# Altium PCB Allwinner_A13_BRD.PcbDoc (part 1 of 5) (continued)
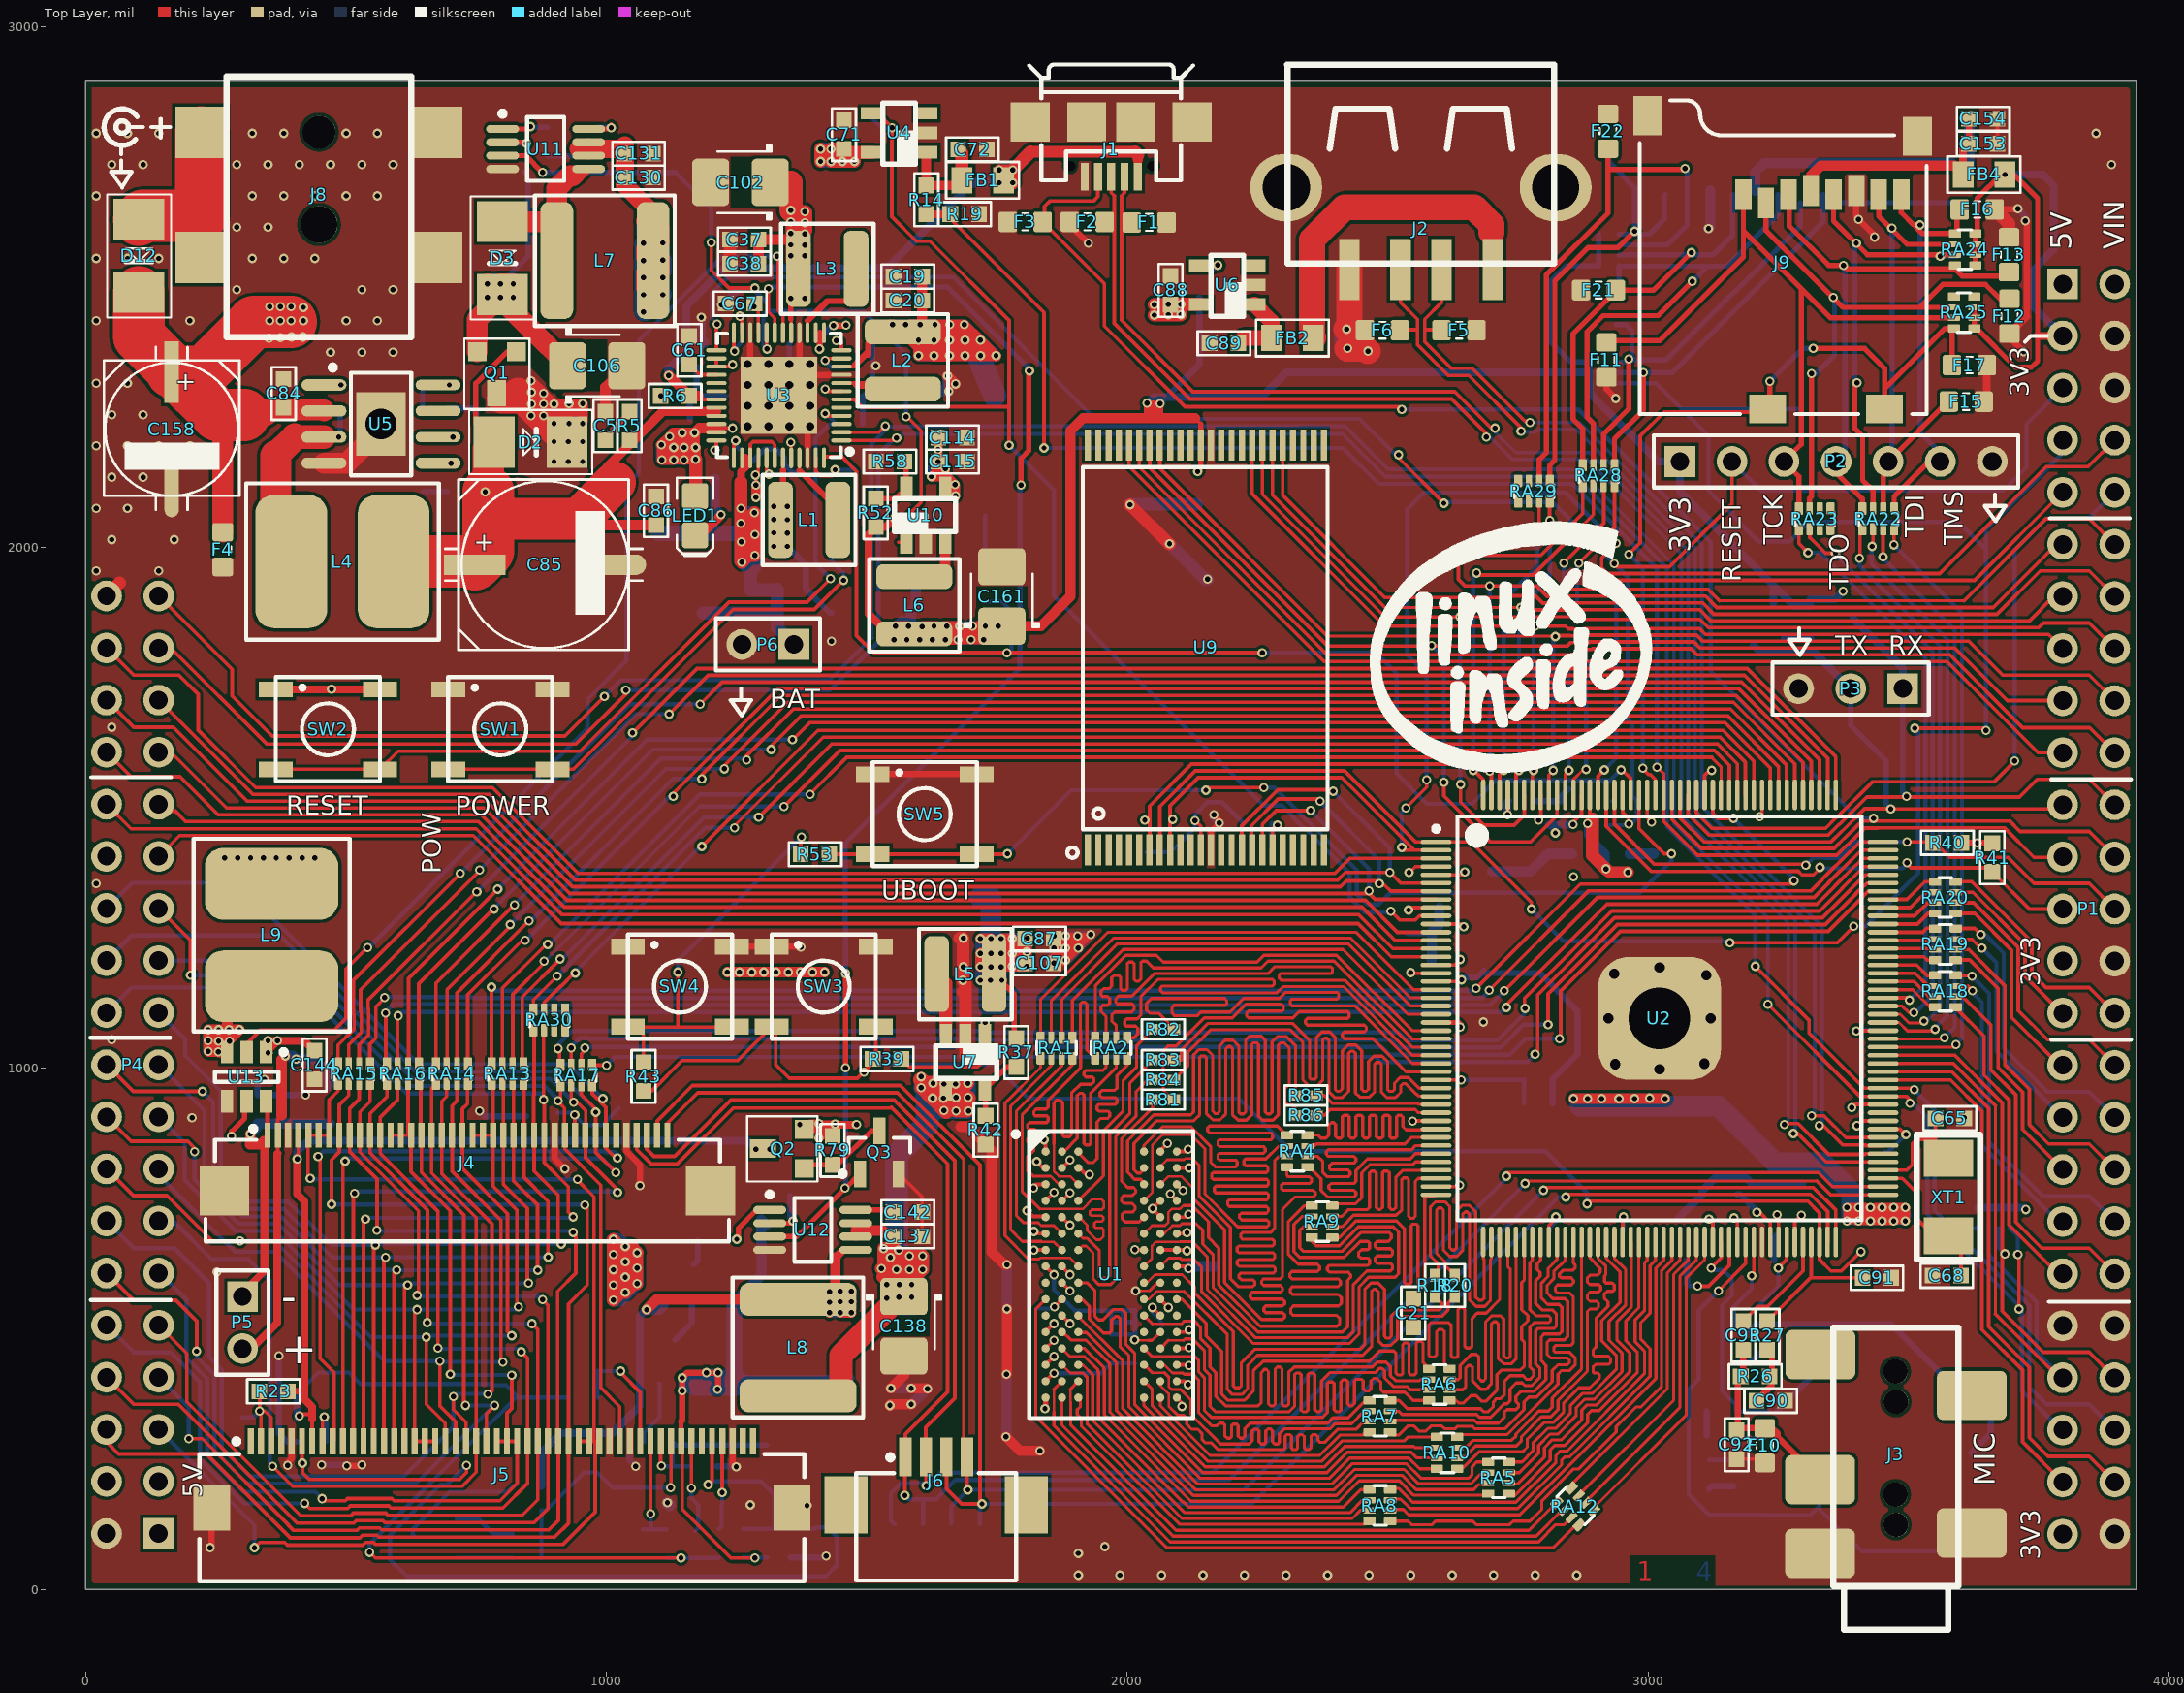
[diagram p0: Top Layer view]
## Components (designator, comment, footprint, x,y, rotation, side; value= is the part's Value field where it differs from the comment)
C1 "22uF" 0603C-GENERIC 1903,714 r90 bottom
C2 "100nF" 0603C-GENERIC 2015,489 r270 bottom
C3 "100nF" 0603C-GENERIC 2015,590 r270 bottom
C4 "10uF" 0603C-GENERIC 1227,2290 r270 bottom
C5 "10uF" 0603C-GENERIC 998,2261 r270 top
C6 "1uF" 0603C-GENERIC 1383,1920 r180 bottom
C7 "100nF" 0603C-GENERIC 2122,388 r180 bottom
C8 "100nF" 0603C-GENERIC 2122,460 r180 bottom
C9 "10uF" 0603C-GENERIC 1432,1875 r270 bottom
C10 "10uF" 0603C-GENERIC 1277,1919 r180 bottom
C11 "10uF" 0603C-GENERIC 1160,2293 r180 bottom
C12 "10uF" 0603C-GENERIC 1369,2189 r180 bottom
C13 "100nF" 0603C-GENERIC 2078,552 r0 bottom
C14 "100nF" 0603C-GENERIC 2122,620 r180 bottom
C15 "100nF" 0603C-GENERIC 2122,726 r270 bottom
C16 "100nF" 0603C-GENERIC 2076,753 r270 bottom
C17 "100nF" 0603C-GENERIC 2113,772 r90 bottom
C18 "100nF" 0603C-GENERIC 2067,855 r270 bottom
C19 "10uF" 0603C-GENERIC 1606,2520 r180 top
C20 "1nF" 0603C-GENERIC 1606,2474 r180 top
C21 "100nF" 0603C-GENERIC 2549,503 r90 top
C22 "100nF" 0603C-GENERIC 2022,666 r90 bottom
C23 "10uF" 0603C-GENERIC 1431,2290 r0 bottom
C24 "100nF" 0603C-GENERIC 2646,1378 r0 bottom
C25 "100nF" 0603C-GENERIC 3397.13,930.65 r0 bottom
C26 "22uF" 0603C-GENERIC 2599,1378 r180 bottom
C27 "10uF" 0603C-GENERIC 2585,1262 r0 bottom
C28 "10uF" 0603C-GENERIC 3011,1412 r90 bottom
C29 "10uF" 0603C-GENERIC 2808,1412 r90 bottom
C30 "22uF" 0603C-GENERIC 2606,901 r180 bottom
C31 "10uF" 0603C-GENERIC 3452,885 r180 bottom
C32 "10uF" 0603C-GENERIC 3194,1585 r180 bottom
C33 "100nF" 0603C-GENERIC 2807.82,983.03 r180 bottom
C34 "100nF" 0603C-GENERIC 1862,410 r270 bottom
C35 "100nF" 0603C-GENERIC 1870,478 r180 bottom
C36 "100nF" 0603C-GENERIC 1825,540 r90 bottom
C37 "10uF" 0603C-GENERIC 1292,2591 r180 top
C38 "1nF" 0603C-GENERIC 1292,2545 r180 top
C39 "22uF" 0603C-GENERIC 2680,1080 r180 bottom
C40 "100nF" 0603C-GENERIC 2646,978 r180 bottom
C41 "10uF" 0603C-GENERIC 2574.2,775.2 r0 bottom
C42 "100nF" 0603C-GENERIC 2811.4,686.87 r270 bottom
C43 "10uF" 0603C-GENERIC 2953.03,633.18 r90 bottom
C44 "100nF" 0603C-GENERIC 2168,620 r0 bottom
C45 "10uF" 0603C-GENERIC 1408,2393 r180 bottom
C46 "100nF" 0603C-GENERIC 1892,611 r90 bottom
C47 "100nF" 0603C-GENERIC 3207,1484 r90 bottom
C48 "22uF" 0603C-GENERIC 2833,1513 r0 bottom
C49 "100nF" 0603C-GENERIC 2544,1308 r0 bottom
C50 "100nF" 0603C-GENERIC 2639,1209 r180 bottom
C51 "100nF" 0603C-GENERIC 2854,1467 r270 bottom
C52 "100nF" 0603C-GENERIC 2732,1513 r0 bottom
C53 "100nF" 0603C-GENERIC 3427,1074 r0 bottom
C54 "100nF" 0603C-GENERIC 3113,712 r180 bottom
C55 "100nF" 0603C-GENERIC 2731,1242 r270 bottom
C56 "1uF" 0603C-GENERIC 1173,2347 r0 bottom
C57 "100nF" 0603C-GENERIC 1825,681 r90 bottom
C58 "22uF" 0603C-GENERIC 3251,779 r270 bottom
C59 "100nF" 0603C-GENERIC 1806,776 r0 bottom
C60 "100nF" 0603C-GENERIC 1840,873 r270 bottom
C61 "10uF" 0603C-GENERIC 1159,2351 r90 top
C62 "100nF" 0603C-GENERIC 1891,822 r90 bottom
C63 "10uF" 0603C-GENERIC 1453,2393 r0 bottom
C64 "1uF" 0603C-GENERIC 1187,2393 r0 bottom
C65 "33pF" 0603C-GENERIC 3607,904 r180 top
C66 "10uF" 0603C-GENERIC 1316,2143 r0 bottom
C67 "1uF" 0603C-GENERIC 1229,2468 r0 top
C68 "33pF" 0603C-GENERIC 3546,602 r0 top
C69 "10uf" CAPMP3528X210N 1660,1329 r180 bottom
C70 "1uF" 0603C-GENERIC 2933,1513 r0 bottom
C71 "10uF" 0603C-GENERIC 1456,2820 r270 top
C72 "100nF" 0603C-GENERIC 1730,2764 r180 top
C73 "10uF" 0603C-GENERIC 1456,2347 r0 bottom
C74 "100nF" 0603C-GENERIC 2965,1412 r90 bottom
C75 "1uF" 0603C-GENERIC 1478,2095 r90 bottom
C76 "10uF" 0603C-GENERIC 3205,779 r270 bottom
C77 "100nF" 0603C-GENERIC 3159,758 r180 bottom
C78 "1uF" 0603C-GENERIC 3297,779 r270 bottom
C79 "10uF" 0603C-GENERIC 3297,632 r180 bottom
C80 "100nF" 0603C-GENERIC 3204,536 r0 bottom
C81 "100nF" 0603C-GENERIC 2685,1242 r270 bottom
C82 "10uF" 0603C-GENERIC 488,2263 r90 bottom
C83 "100nF" 0603C-GENERIC 3452,839 r180 bottom
C84 "1uF" 0603C-GENERIC 380,2323 r270 top
C85 "47uF 25V" PANACAP-E-GENERIC 882,1967 r0 top
C86 "10uF" 0603C-GENERIC 1095,2098 r270 top
C87 "10uF" 0603C-GENERIC 1859,1249 r180 top
C88 "10uF" 0603C-GENERIC 2083,2521 r270 top
C89 "100nF" 0603C-GENERIC 2158,2392 r0 top
C90 "100nF" 0603C-GENERIC 3208,362 r0 top
C91 "100nF" 0603C-GENERIC 3412,598 r0 top
C92 "100nF" 0603C-GENERIC 3170,250 r90 top
C93 "100nF" 0603C-GENERIC 3183,460 r90 top
C94 "120pf" 0603C-GENERIC 694,2267 r270 bottom
C95 "100nF" 0603C-GENERIC 3159,712 r270 bottom
C96 "10nf" 0603C-GENERIC 650,2369 r270 bottom
C97 "10uF" 0603C-GENERIC 3020,586 r0 bottom
C98 "100nF" 0603C-GENERIC 3075,632 r180 bottom
C99 "1nF" 0603C-GENERIC 3467,649 r180 bottom
C100 "1nF" 0603C-GENERIC 1607.61,70 r90 bottom
C101 "1nF" 0603C-GENERIC 1553,70 r90 bottom
C102 "47µ" CAPMP3528X210N 1257,2701 r180 top
C103 "1nF" 0603C-GENERIC 1716.82,69.97 r90 bottom
C104 "10uF" 0603C-GENERIC 1540,977.29 r0 bottom
C105 "10uF" 0603C-GENERIC 1540,931.29 r0 bottom
C106 "10uf" CAPMP3528X210N 982,2349 r0 top
C107 "22uF" 0603C-GENERIC 1859,1202 r180 top
C108 "1nF" 0603C-GENERIC 1662.21,70 r90 bottom
C109 "100nF" 0603C-GENERIC 3113,295 r0 bottom
C110 "100nF" 0603C-GENERIC 3117,193 r90 bottom
C111 "100nF" 0603C-GENERIC 3220,458 r270 bottom
C112 "47µ" CAPMP3528X210N 1688,2292 r180 bottom
C114 "10uF" 0603C-GENERIC 1692,2211 r180 top
C115 "10uF" 0603C-GENERIC 1692,2165 r180 top
C116 "10uF" 0603C-GENERIC 1649,1945 r180 bottom
C117 "10uF" 0603C-GENERIC 1649,1897 r180 bottom
C118 "100nF" 0603C-GENERIC 1176,162 r180 bottom
C120 "100nF" 0603C-GENERIC 901,908 r180 bottom
C126 "100nF" 0603C-GENERIC 1322,162 r0 bottom
C127 "100nF" 0603C-GENERIC 2129,1470 r270 bottom
C128 "100nF" 0603C-GENERIC 2133,2138 r270 bottom
C129 "100nF" 0603C-GENERIC 2278,1424 r180 bottom
C130 "10uF" 0603C-GENERIC 1089,2710 r180 top
C131 "10uF" 0603C-GENERIC 1089,2756 r180 top
C132 "10uF" 0603C-GENERIC 794,2675 r0 bottom
C133 "10uf" CAPMP6032X280N 889,2498 r0 bottom
C134 "47µ" CAPMP3528X210N 1303,551 r0 bottom
C135 "100nF" 0603C-GENERIC 980,2807 r270 bottom
C136 "1.6nf" 0603C-GENERIC 933,2807 r270 bottom
C137 "10uF" 0603C-GENERIC 1606,678 r180 top
C138 "47µ" CAPMP3528X210N 1571,505 r270 top
C139 "10uF" 0603C-GENERIC 1353,664 r180 bottom
C142 "100nF" 0603C-GENERIC 1551,724 r0 top
C143 "1.6nf" 0603C-GENERIC 1112,623 r0 bottom
C144 "10uF" 0603C-GENERIC 439,979 r90 top
C145 "1.6nf" 0603C-GENERIC 1164,544 r180 bottom
C146 "10uF" 0603C-GENERIC 468,894 r90 bottom
C147 "1.6nf" 0603C-GENERIC 1157,331 r180 bottom
C148 "1.6nf" 0603C-GENERIC 1056,236 r0 bottom
C149 "1uF" 0603C-GENERIC 284,818 r90 bottom
C150 "1.6nf" 0603C-GENERIC 820,198 r0 bottom
C151 "1.6nf" 0603C-GENERIC 774,60 r90 bottom
C152 "1.6nf" 0603C-GENERIC 820,152 r0 bottom
C153 "10uF" 0603C-GENERIC 3616,2775 r0 top
C154 "10uF" 0603C-GENERIC 3671,2823 r180 top
C155 "10uF" 0603C-GENERIC 3617,2774 r0 bottom
C156 "10uF" 0603C-GENERIC 3672,2820 r180 bottom
C157 "1uF" 0603C-GENERIC 1185,1818 r90 bottom
C158 "100uF-16V" PANACAP-D-GENERIC 165,2227 r270 top
C159 "1.6nf" 0603C-GENERIC 385,771 r90 bottom
C160 "1.6nf" 0603C-GENERIC 462,376 r180 bottom
C161 "10uf" CAPMP3528X210N 1759,1906 r90 top
D1 "MBRS140" DIODE-SMA 1553,2061 r180 bottom
D2 "MBRS140" DIODE-SMA 750,2202 r180 top
D3 "MBRS140" DIODE-SMA 800,2660 r90 top
D4 "MBRS140" DIODE-SMA 1466,579 r90 bottom
D5 "MBRS140" DIODE-SMA 254,1034 r180 bottom
D6 "BAT54S" SOT23_N 1132,438 r90 bottom
D7 "MBRS140" DIODE-SMA 1273,277 r180 bottom
D8 "BAT54S" SOT23_N 671,98 r180 bottom
D9 "MBRS140" DIODE-SMA 970,260 r90 bottom
D10 "BAT54S" SOT23_N 3353,1863 r0 bottom
D11 "BAT54S" SOT23_N 3203,1853 r270 bottom
D12 "MBRS140" DIODE-SMA 102,2664 r90 top
F1 "ESD suppressor" 0603ESDA 2042,2624 r180 top
F2 "ESD suppressor" 0603ESDA 1923,2625 r0 top
F3 "ESD suppressor" 0603ESDA 1804,2625 r0 top
F4 "ESD suppressor" 0603ESDA 263,1996 r90 top
F5 "ESD suppressor" 0603ESDA 2637,2417 r180 top
F6 "ESD suppressor" 0603ESDA 2490,2417 r0 top
F7 "ESD suppressor" 0603ESDA 3235,308 r90 bottom
F8 "ESD suppressor" 0603ESDA 3223,176 r270 bottom
F9 "ESD suppressor" 0603ESDA 3658,383 r270 bottom
F10 "ESD suppressor" 0603ESDA 3224,276 r90 top
F11 "ESD suppressor" 0603ESDA 2920,2360 r270 top
F12 "ESD suppressor" 0603ESDA 3694,2444 r270 top
F13 "ESD suppressor" 0603ESDA 3693,2562 r90 top
F14 "ESD suppressor" 0603ESDA 3632,2564 r0 bottom
F15 "ESD suppressor" 0603ESDA 3611,2280 r0 top
F16 "ESD suppressor" 0603ESDA 3632,2649 r0 top
F17 "ESD suppressor" 0603ESDA 3617,2350 r0 top
F18 "ESD suppressor" 0603ESDA 3632,2648 r0 bottom
F19 "ESD suppressor" 0603ESDA 2905,2424 r180 bottom
F20 "ESD suppressor" 0603ESDA 2905,2494 r180 bottom
F21 "ESD suppressor" 0603ESDA 2905,2494 r180 top
F22 "ESD suppressor" 0603ESDA 2923,2799 r90 top
F23 "ESD suppressor" 0603ESDA 2925,2801 r90 bottom
F24 "ESD suppressor" 0603ESDA 3196,2061 r0 bottom
FB1 "" 0805FB-GENERIC 1692,2705 r0 top
FB2 "" 0805FB-GENERIC 2287,2402 r0 top
FB4 "" 0805FB-GENERIC 3675,2716 r180 top
FB5 "" 0805FB-GENERIC 3675,2716 r180 bottom
J1 "Micro-USB-B" USB-MICRO-HW-MC-5F 1969,2817 r180 top
J2 "SMD_USB_A" USBA_HW-UAF-12 2564,2691 r180 top
J3 "Audio SMD 3.5mm" SMDAudio3.5mm 3476,242 r90 top
J4 "62684-402100ALF" 62684-402100ALF 733,848 r0 top
J5 "Tm097tdh01" FH12A-50S-0.5SH 799,220 r0 top locked
J6 "1mm pitch fpc 4pin" 52793-0470 1633,217 r0 top
J7 "Audio SMD 3.5mm" SMDAudio3.5mm 3475,300 r90 bottom
J8 "DC-050" DC-050 448,2994 r270 top
J9 "MicroSD_Selfeject" MicroSD_Selfeject 3535,2256 r0 top
J10 "MicroSD_Selfeject" MicroSD_Selfeject 2984,2256 r180 bottom
L1 "2.2uh" TAIYO_NRS4018T2R2MDGJ 1389,2053 r180 top
L2 "2.2uh" TAIYO_NRS4018T2R2MDGJ 1569,2359 r90 top
L3 "2.2uh" TAIYO_NRS4018T2R2MDGJ 1424,2535 r180 top
L4 "" Inductor-Multicomp-MCSDC060 493,1973 r0 top
L5 "2.2uh" TAIYO_NRS4018T2R2MDGJ 1689,1181 r0 top
L6 "2.2uh" TAIYO_NRS4018T2R2MDGJ 1591,1889 r270 top
L7 "4.7uh" TAIYO_NR6028T4R7M 997,2551 r180 top
L8 "4.7uh" TAIYO_NR6028T4R7M 1368,464 r90 top
L9 "" Inductor-Multicomp-MCSDC060 357,1256 r270 top
LED1 "Blue" LED-0805-K 1170,2061 r270 top
P1 "Header 25X2" HDR2X25 3796,2506 r270 top
P2 "Header 7" HDR1X7 3061,2165 r0 top
P3 "Header 3" HDR1X3 3489,1729 r180 top
P4 "Header 19X2" HDR2X19 140,107 r90 top
P5 "Header 2" HDR1X2 301,562 r270 top
P6 "Header 2" HDR1X2 1360,1814 r180 top
Q1 "DMP3130L-7" SOT23-GDS 827,2376 r270 top
Q2 "DMP3130L-7" SOT23-GDS 1380,808 r180 top
Q3 "UN2214" SOT23_N 1524,839 r90 top
R1 "240R" 0603R-GENERIC 1253,2133 r90 bottom
R2 "2K2" 0603R-10K 1969.03,489.18 r270 bottom
R3 "2K2" 0603R-10K 1969,535 r90 bottom
R4 "7R5" 2512R-GENERIC 1224,2027 r180 bottom
R5 "1R" 0603R-GENERIC 1044,2261 r270 top
R6 "1R" 0603R-GENERIC 1104,2291 r0 top
R7 "2K2" 0603R-10K 2808,937 r180 bottom
R8 "220K" 0603R-220K 1208,2133 r90 bottom
R9 "2K2" 0603R-10K 2777,1187 r90 bottom
R10 "240R" 0603R-10K 2122,506 r180 bottom
R11 "200K/1%" 0603R-220K 1252,2494 r270 bottom
R12 "2K2" 0603R-2K2 1432,2095 r90 bottom
R13 "47K" 0603R-47K 2919,1412 r90 bottom
R14 "47K" 0603R-10K 1614,2695 r270 top
R15 "2K2" 0603R-2K2 1487,2237 r180 bottom
R16 "47K" 0603R-47K 1734,1951 r270 bottom
R17 "10K" 0603R-10K 1512,2767 r90 bottom
R18 "" 0402R-GENERIC 2591,603 r270 top
R19 "100K" 0603R-10K 1660,2640 r0 top
R20 "" 0402R-GENERIC 2629,603 r270 top
R21 "200K" 0603R-220K 3297,678 r180 bottom
R22 "10K" 0603R-10K 2538,1259 r270 bottom
R23 "10K" 0603R-10K 388,380 r180 top
R24 "300K" 0603R-2K2 694,2108 r0 bottom
R25 "10K" 0603R-10K 2138,2480 r90 bottom
R26 "200K" 0603R-220K 3233,409 r180 top
R27 "200K" 0603R-220K 3229,515 r270 top
R28 "3.7K" 0603R-2K2 650,2267 r270 bottom
R29 "0R" 0603R-2K2 648,2163 r270 bottom
R30 "2K2" 0603R-2K2 300,330 r90 bottom
R32 "150K" 0603R-2K2 751,2313 r180 bottom
R33 "56K" 0603R-2K2 749,2161 r180 bottom
R34 "200K" 0603R-220K 3113,341 r0 bottom
R35 "200K" 0603R-220K 3164,198 r270 bottom
R36 "200K" 0603R-220K 3174,435 r90 bottom
R37 "33K" 0603R-2K2 1787,1003 r90 top
R39 "200K" 0603R-220K 1566,1018 r180 top
R40 "4.7K" 0603R-220K 3547,1433 r0 top
R41 "4.7K" 0603R-220K 3661,1377 r90 top
R42 "22K" 0603R-2K2 1728,854 r90 top
R43 "200K" 0603R-220K 1071,1012 r270 top
R44 "2K2" 0603R-2K2 1024,869 r90 bottom
R45 "2K2" 0603R-2K2 1170,60.97 r90 bottom
R46 "10K" 0603R-10K 406.97,329 r0 bottom
R47 "10K" 0603R-10K 928,368 r0 bottom
R48 "10K" 0603R-10K 1116,60 r90 bottom
R49 "10K" 0603R-10K 1216,60.97 r90 bottom
R50 "200K" 0603R-220K 2037,1470 r270 bottom
R51 "200K" 0603R-220K 2083,1470 r270 bottom
R52 "82K" 0603R-2K2 1517,2094 r270 top
R53 "200K" 0603R-220K 1428,1411 r180 top
R54 "2K2" 0603R-2K2 461.97,283 r180 bottom
R55 "2K2" 0603R-2K2 983,420 r180 bottom
R56 "2K2" 0603R-2K2 1070,115 r270 bottom
R57 "2K2" 0603R-2K2 1221,162 r0 bottom
R58 "18K" 0603R-2K2 1517,2165 r0 top
R59 "10K" 0603R-10K 1308,61 r90 bottom
R60 "2K2" 0603R-2K2 1262,61 r90 bottom
R61 "200K" 0603R-220K 2278,1470 r180 bottom
R64 "2K2" 0603R-2K2 1400,116 r270 bottom
R65 "2K2" 0603R-2K2 1354,116 r270 bottom
R66 "47K" 0603R-2K2 841,2776 r270 bottom
R67 "51K" 0603R-2K2 887,2752 r90 bottom
R68 "15K" 0603R-2K2 795,2721 r90 bottom
R69 "91K" 0603R-2K2 1352,710 r180 bottom
R70 "51K" 0603R-2K2 1175,670 r0 bottom
R71 "10K" 0603R-2K2 1297,756 r0 bottom
R72 "1K5" 0603R-2K2 1072,282 r0 bottom
R73 "47K" 0603R-2K2 1157,236 r0 bottom
R74 "1K5" 0603R-2K2 820,106 r0 bottom
R75 "2K2" 0603R-2K2 422,949 r270 bottom
R76 "2K2" 0603R-2K2 376,949 r270 bottom
R77 "2K2" 0603R-2K2 330,949 r270 bottom
R78 "47K" 0603R-2K2 875,60 r180 bottom
R79 "2K2" 0603R-2K2 1434,815 r90 top
R81 "" 0402R-GENERIC 2089,940 r180 top
R82 "" 0402R-GENERIC 2089,1075 r180 top
R83 "" 0402R-GENERIC 2089,1016 r180 top
R84 "" 0402R-GENERIC 2089,978 r180 top
R85 "" 0402R-GENERIC 2363,948 r180 top
R86 "" 0402R-GENERIC 2363,910 r180 top
RA1 "Thick Film" EXV28V 1864,1039 r90 top
RA2 "Thick Film" EXV28V 1969,1039 r90 top
RA3 "Thick Film" EXV28V 3664,713 r270 bottom
RA4 "Thick Film" EXV28V 2326,841 r0 top
RA5 "Thick Film" EXV28V 2713,214 r0 top
RA6 "Thick Film" EXV28V 2599,393 r0 top
RA7 "Thick Film" EXV28V 2485,332 r0 top
RA8 "Thick Film" EXV28V 2485,161 r0 top
RA9 "Thick Film" EXV28V 2374,706 r0 top
RA10 "Thick Film" EXV28V 2614,262 r0 top
RA12 "Thick Film" EXV28V 2860,159 r45 top
RA13 "Thick Film" EXV28V 810,990 r90 top
RA14 "Thick Film" EXV28V 703,990 r90 top
RA15 "Thick Film" EXV28V 515,990 r90 top
RA16 "Thick Film" EXV28V 609,990 r90 top
RA17 "Thick Film" EXV28V 942,987 r90 top
RA18 "Thick Film" EXV28V 3571,1148 r180 top
RA19 "Thick Film" EXV28V 3571,1238 r180 top
RA20 "Thick Film" EXV28V 3571,1328 r180 top
RA22 "Thick Film" EXV28V 3442,2055 r270 top
RA23 "Thick Film" EXV28V 3320,2055 r270 top
RA24 "Thick Film" EXV28V 3609,2572 r180 top
RA25 "Thick Film" EXV28V 3607,2451 r180 top
RA26 "Thick Film" EXV28V 2925,2572 r0 bottom
RA27 "Thick Film" EXV28V 2908,2346 r0 bottom
RA28 "Thick Film" EXV28V 2905,2138 r270 top
RA29 "Thick Film" EXV28V 2781,2108 r270 top
RA30 "Thick Film" EXV28V 890,1093 r270 top
SW1 "PushButton" PushButtonGrid5.08x3.81 796,1651 r0 top
SW2 "PushButton" PushButtonGrid5.08x3.81 465,1651 r0 top
SW3 "PushButton" PushButtonGrid5.08x3.81 1417,1157 r0 top
SW4 "PushButton" PushButtonGrid5.08x3.81 1141,1157 r0 top
SW5 "PushButton" PushButtonGrid5.08x3.81 1611,1488 r0 top
U1 "K4B4G1646D-BCK0" MICT-JT-96 1969.03,604.18 r0 top locked
U2 "Allwinner_A13" LQFP176L 3022,1096 r0 top
U3 "AXP209" QFN48 1331,2292 r180 top
U4 "TPS2065DBVT" TSOT23-5 1562,2796 r90 top
U5 "TPS54335" D008_L_PowerPad 567,2237 r0 top
U6 "TPS2065DBVT" TSOT23-5 2192,2504 r90 top
U7 "TLV62565DBVT" TSOT23-5 1689,1012 r180 top
U9 "NAND_FLASH" TSOP-48 2151,1808 r0 top
U10 "TLV62565DBVT" TSOT23-5 1613,2062 r0 top
U11 "TPS61085DGKR" TI-DGK8_N 883,2765 r0 top
U12 "TPS61085DGKR" TI-DGK8_N 1396,690 r0 top
U13 "TPS61165DBVR" TI-DBV6_N 309,984 r270 top
XT1 "24Mhz" Ceramic_crystal_5x3.2 3577,753 r90 top

## Footprints (in the part's own frame and the unit in brackets; to place one, negate y for a bottom-side part, rotate by r counter-clockwise, add the part's x,y. Pads: shape width x height; smd on the part's side, far side on the other; paste and mask are expansions set on the pad)
0402R-GENERIC [mil]
  rect 25x20 smd: 1(0,0) 2(40,0)
  silkscreen extent -21,-19 61,19, body extent -6,-10 46,10, height 14
0603C-GENERIC [mil] "CAPACITOR 0603"
  rect 30x30 smd: 1(0,0) 2(55,0)
  silkscreen extent -23,-23 78,23, body extent -4,-15 59,15, height 19
0603ESDA [mm] "Chip ESD suppressor, Body 1.6x0.8mm, 0603, IPC Medium Density"
  round 0.254 on Mech14: 0(0,0)
  rrect25% 0.9x1 smd: 1(-0.85,0) 2(0.85,0)
  Top Layer pour cut-out: -0.4,0.6 0.4,0.6 0.4,-0.6 -0.4,-0.6
  silkscreen extent -0.15,-0.41 0.15,0.41, body extent -0.85,-0.45 0.85,0.45, height 0.79
0603R-2K2 [mil] "RESISTOR 0603"
  rect 30x30 smd: 1(0,0) 2(55,0)
  silkscreen extent -23,-23 78,23, body extent -4,-15 59,15, height 20
0603R-10K [mil] "RESISTOR 0603"
  rect 30x30 smd: 1(0,0) 2(55,0)
  silkscreen extent -23,-23 78,23, body extent -4,-15 59,15, height 20
0603R-47K [mil] "RESISTOR 0603"
  rect 30x30 smd: 1(0,0) 2(55,0)
  silkscreen extent -23,-23 78,23, body extent -4,-15 59,15, height 20
0603R-220K [mil] "RESISTOR 0603"
  rect 30x30 smd: 1(0,0) 2(55,0)
  silkscreen extent -23,-23 78,23, body extent -4,-15 59,15, height 20
0603R-GENERIC [mil] "RESISTOR 0603"
  rect 30x30 smd: 1(0,0) 2(55,0)
  silkscreen extent -23,-23 78,23, body extent -4,-15 59,15, height 19
0805FB-GENERIC [mil] "FERRITE BEAD 0805"
  rect 40x50 smd: 1(-10,0) 2(70,0)
  silkscreen extent -40,-35 100,35, body extent -11,-25 70,25, height 26
2512R-GENERIC [mil]
  rect 80x125 smd: 1(-125,0) 2(125,0)
  silkscreen extent -186,-84 185,83, body extent -139,-61 136,61, height 19
52793-0470 [mm]
  rect 0.6x1.9 smd: 1(-1.5,0.95) 2(-0.5,0.95) 3(0.5,0.95) 4(1.5,0.95)
  rect 2.1x2.8 smd: MH1(-4.4,-1.4) MH2(4.4,-1.4)
  silkscreen extent -3.9,-5.08 3.9,1.05, body extent -5.15,-5.08 5.15,1.72, height 3.07
62684-402100ALF [mm]
  rect 0.3x1.2 smd: 1(-9.75,0.6) 2(-9.25,0.6) 3(-8.75,0.6) 4(-8.25,0.6) 5(-7.75,0.6) 6(-7.25,0.6) 7(-6.75,0.6) 8(-6.25,0.6) 9(-5.75,0.6) 10(-5.25,0.6) 11(-4.75,0.6) 12(-4.25,0.6) 13(-3.75,0.6) 14(-3.25,0.6) 15(-2.75,0.6) 16(-2.25,0.6) 17(-1.75,0.6) 18(-1.25,0.6) 19(-0.75,0.6) 20(-0.25,0.6) 21(0.25,0.6) 22(0.75,0.6) 23(1.25,0.6) 24(1.75,0.6) 25(2.25,0.6) 26(2.75,0.6) 27(3.25,0.6) 28(3.75,0.6) 29(4.25,0.6) 30(4.75,0.6) 31(5.25,0.6) 32(5.75,0.6) 33(6.25,0.6) 34(6.75,0.6) 35(7.25,0.6) 36(7.75,0.6) 37(8.25,0.6) 38(8.75,0.6) 39(9.25,0.6) 40(9.75,0.6)